# Altium PCB BB.PcbDoc (part 2 of 5) (continued)
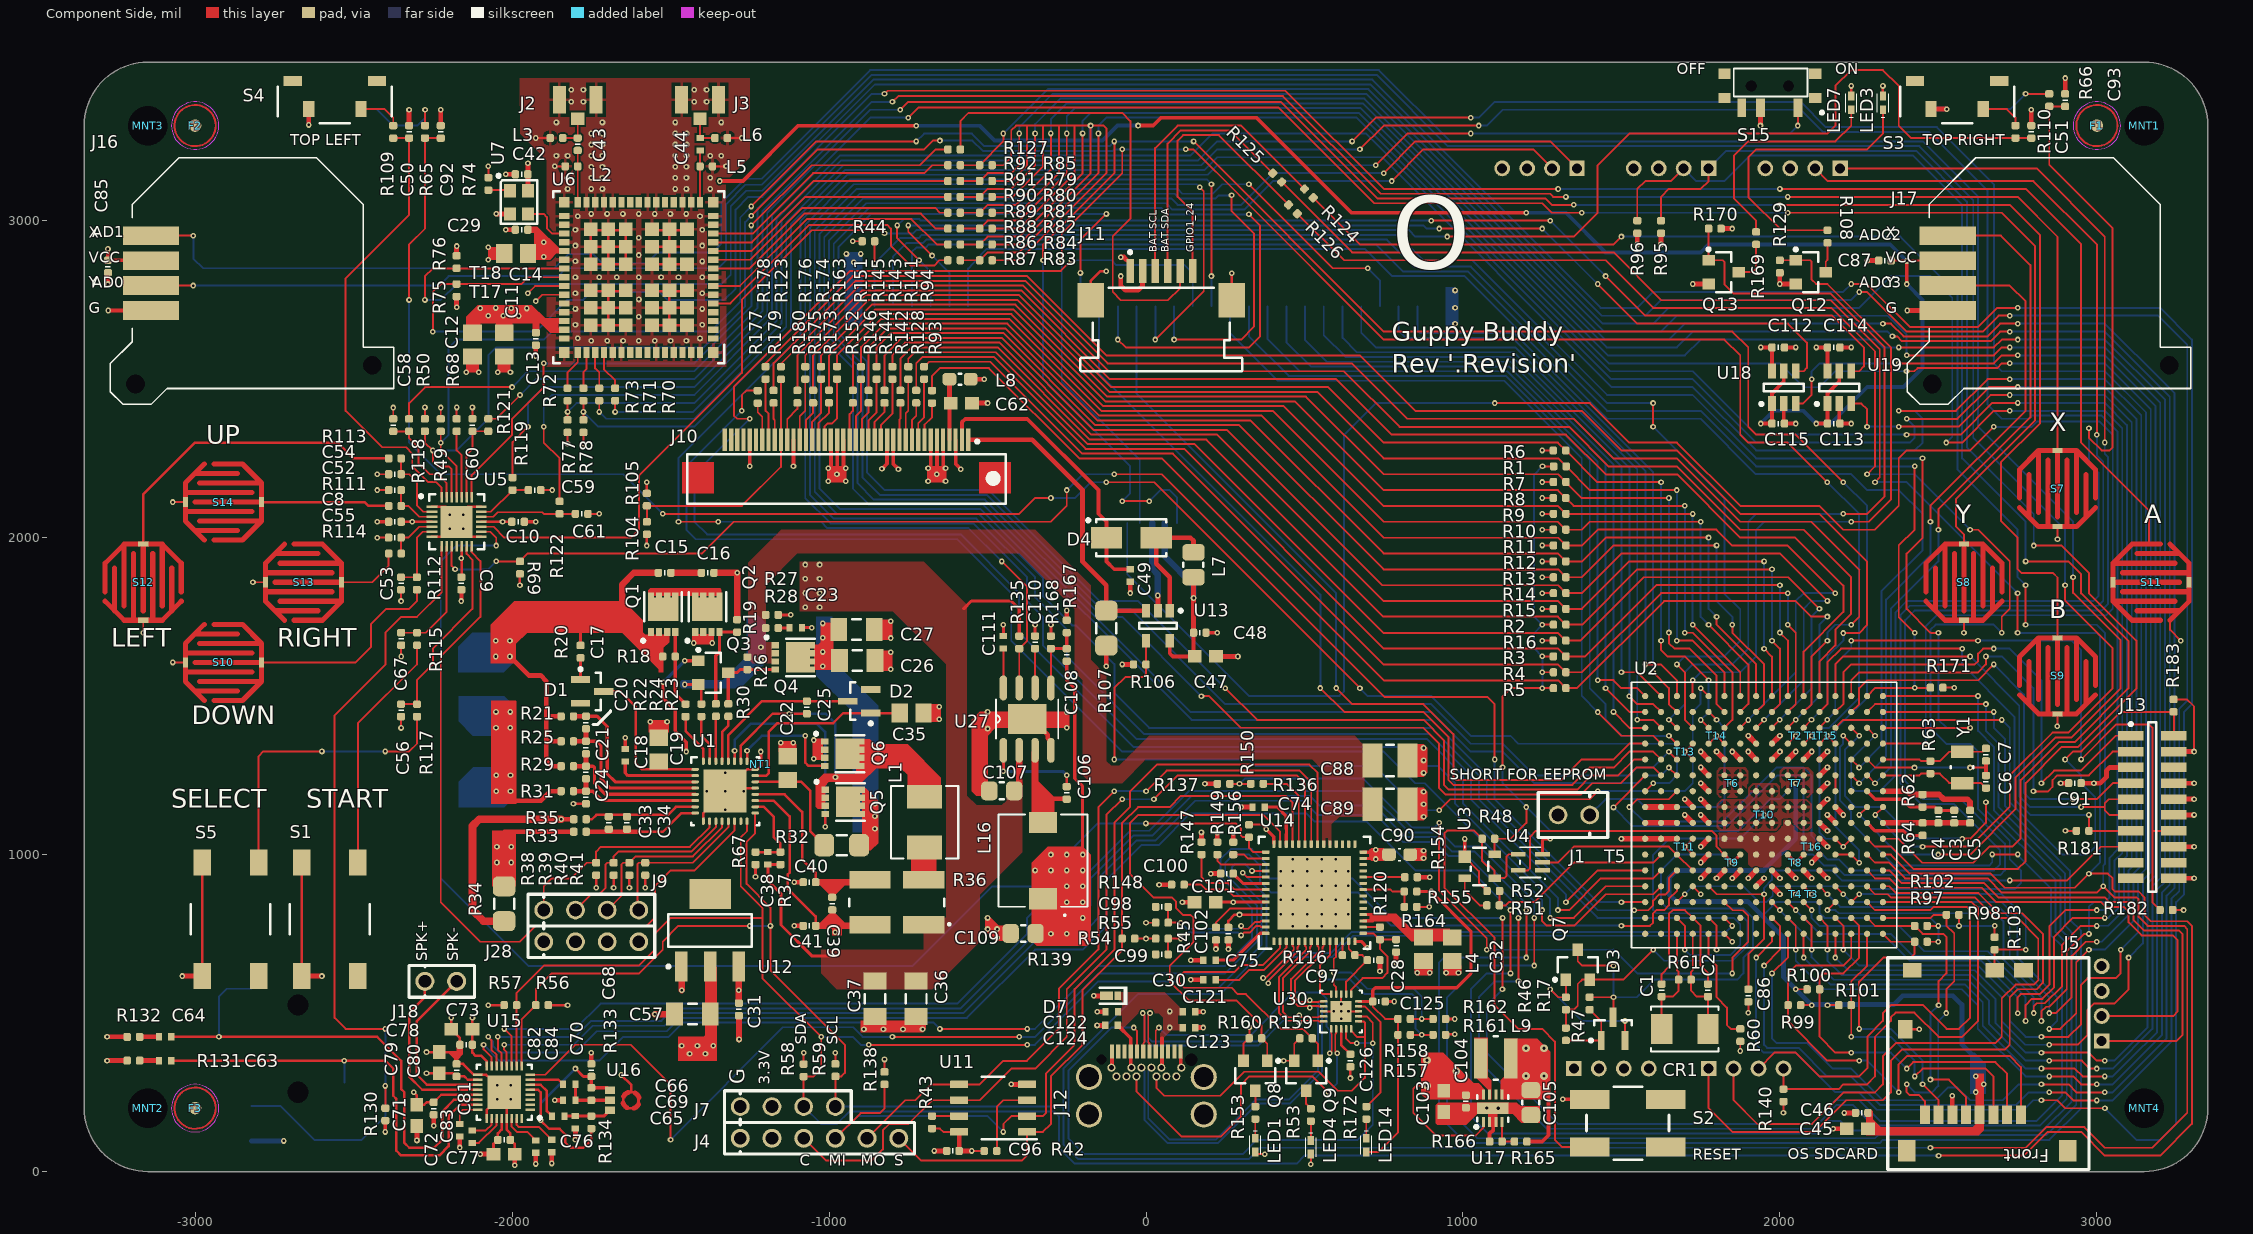
[diagram p0: Component Side view]
## Part data (continued)
R34: "RES SMD 0.005 OHM 1% 1W 1206", Case=1206, Manufacturer="Stackpole Electronics Inc.", Manufacturer Part Number=CSRF1206FT5L00, Operating Temperature="-55°C ~ 170°C", Package / Case="1206 (3216 Metric)", Power (Watts)=1/4W, Resistance (Ohms)=0.005, Supplier Part Number 1=CSRF1206FT5L00CT-ND, Temperature Coefficient=±100ppm/°C, Tolerance=±1%, Category=Resistors, ComponentLink1Description=https://www.seielect.com/Catalog/SEI-csrf.pdf, ComponentLink1URL=https://www.seielect.com/Catalog/SEI-csrf.pdf, Composition="Metal Foil", Failure Rate=-, Features="Automotive AEC-Q200, Current Sense, Moisture Resistant", Height - Seated (Max)="0.033\" (0.85mm)", Number of Terminations=2, Packaging="Cut Tape (CT)", Part Status=Active, Pricing 1="1=0.63, 10=0.468, 50=0.33, 100=0.2723, 250=0.23652, 500=0.1925, 1000=0.15268 (USD)", Resistance In Ohms=0.005, RoHS="RoHS Compliant", Size / Dimension="0.126\" L x 0.063\" W (3.20mm x 1.60mm)", Stock 1=42538, Supplier 1=Digi-Key, Supplier Device Package=1206
R36: library part R_0.010SENSE_LK20, "RES SMD 0.01 OHM 1% 2W 1224", Manufacturer=Ohmite, Manufacturer Part Number=LVK25R010FER, Operating Temperature="-40°C ~ 125°C", Package / Case="Wide 2412 (6231 Metric), 1224", Power (Watts)=2W, Resistance (Ohms)=0.01, Supplier Device Package=1224, Supplier Part Number 1=LVK25R010FERCT-ND, Temperature Coefficient=±100ppm/°C, Tolerance=±1%, Category=Resistors, ComponentLink1Description=http://www.ohmite.com/cat/res_lvk.pdf, ComponentLink1URL=http://www.ohmite.com/cat/res_lvk.pdf, Composition="Thick Film", Features="Current Sense, Moisture Resistant", Height="0.028\" (0.70mm)", Number of Terminations=4, Packaging="Cut Tape (CT)", Pricing 1="1=1.77, 10=1.571, 25=1.4564, 50=1.3706, 100=1.1994, 250=1.028, 500=0.85668 (USD)", RoHS="RoHS Compliant", Size / Dimension="0.126\" L x 0.252\" W (3.20mm x 6.40mm)", Stock 1=3676, Supplier 1=Digi-Key
R37: "RES SMD 330K OHM 1% 1/16W 0402", Case=0402, Manufacturer=Yageo, Manufacturer Part Number=RC0402FR-07330KL, Operating Temperature="-55°C ~ 155°C", Package / Case="0402 (1005 Metric)", Power (Watts)=1/16W, Resistance (Ohms)=330k, Supplier Part Number 1=311-330KLRCT-ND, Temperature Coefficient=±100ppm/°C, Tolerance=±1%, Category=Resistors, ComponentLink1Description=http://www.yageo.com/NewPortal/yageodocoutput?fileName=/pdf/R-Chip/PYu-RC_Group_51_RoHS_L_4.pdf, ComponentLink1URL=http://www.yageo.com/NewPortal/yageodocoutput?fileName=/pdf/R-Chip/PYu-RC_Group_51_RoHS_L_4.pdf, Composition="Thick Film", Failure Rate=-, Features="Moisture Resistant", Height - Seated (Max)="0.016\" (0.40mm)", Number of Terminations=2, Packaging="Cut Tape (CT)", Part Status=Active, Pricing 1="1=0.1, 10=0.013, 25=0.0096, 100=0.0054, 250=0.00412, 500=0.00328, 1000=0.00242, 2500=0.0021, 5000=0.00173 (USD)", Resistance In Ohms=330k, RoHS="RoHS Compliant", Size / Dimension="0.039\" L x 0.020\" W (1.00mm x 0.50mm)", Stock 1=135846, Supplier 1=Digi-Key, Supplier Device Package=0402
R38 R39 R40 R41: "NTC Thermistor 10k 0402 (1005 Metric)", B Value Tolerance=±1%, Case=0402, Manufacturer="Murata Electronics North America", Manufacturer Part Number=NCP15XH103F03RC, Operating Temperature="-40°C ~ 125°C", Package / Case="0402 (1005 Metric)", Power - Max=100mW, Resistance In Ohms="10.0K NTC", Resistance in Ohms @ 25°C=10k, Supplier Part Number 1=490-4801-1-ND, B0/50=-, B25/50=3380K, B25/75=-, B25/85=3434K, B25/100=3455K, Category="Sensors, Transducers", ComponentLink1Description=http://www.murata.com/~/media/webrenewal/support/library/catalog/products/thermistor/ntc/r44e.ashx, ComponentLink1URL=http://www.murata.com/~/media/webrenewal/support/library/catalog/products/thermistor/ntc/r44e.ashx, Length - Lead Wire=-, Mounting Type="Surface Mount", Packaging="Cut Tape (CT)", Part Status=Active, Pricing 1="1=0.13, 10=0.107, 25=0.0988, 50=0.0792, 100=0.0678, 250=0.0622, 500=0.05936, 1000=0.05089, 2500=0.04806 (USD)", Resistance Tolerance=±1%, RoHS="RoHS Compliant", Stock 1=119531, Supplier 1=Digi-Key, Tolerance=±1%
R42 R43 R138 R139 R147: library part R_0402_3.3K, "RES 3.30K OHM 1/10W 1% 0402 SM", Case=0402, Manufacturer="Panasonic - ECG", Manufacturer Part Number=ERJ-2RKF3301X, Package / Case="0402 (1005 Metric)", Power (Watts)=1/10W, Resistance In Ohms=3.3K, Supplier Part Number 1=P3.30KLCT-ND, Temperature Coefficient=±100ppm/°C, Tolerance=±1%, Category=Resistors, ComponentLink1Description=http://industrial.panasonic.com/www-cgi/jvcr13pz.cgi?E+PZ+3+AOA0002+ERJ2RKF3301X+7+WW, ComponentLink1URL=http://industrial.panasonic.com/www-cgi/jvcr13pz.cgi?E+PZ+3+AOA0002+ERJ2RKF3301X+7+WW, Composition="Thick Film", Features=-, Height="0.014\" (0.35mm)", Number of Terminations=2, Packaging="Cut Tape (CT)", Pricing="1=0.06, 50=0.0242, 100=0.0184, 250=0.01364, 500=0.01008, 1000=0.00672, 5000=0.00473 (USD)", RoHS="RoHS Compliant", Size / Dimension="0.039\" L x 0.020\" W (1.00mm x 0.50mm)", Stock 1=246274, Supplier 1=Digi-Key
R45: "RES 15.0K OHM 1/10W 1% 0402 SMD", Case=0402, Manufacturer="Panasonic - ECG", Manufacturer Part Number=ERJ-2RKF1502X, Package / Case="0402 (1005 Metric)", Power (Watts)=1/10, Resistance (Ohms)=15K, Supplier Part Number 1=P15.0KLCT-ND, Temperature Coefficient=±100ppm/°C, Tolerance=±1%, Category=Resistors, ComponentLink1Description=http://industrial.panasonic.com/www-cgi/jvcr13pz.cgi?E+PZ+3+AOA0002+ERJ2RKF1502X+7+WW, ComponentLink1URL=http://industrial.panasonic.com/www-cgi/jvcr13pz.cgi?E+PZ+3+AOA0002+ERJ2RKF1502X+7+WW, Composition="Thick Film", Features=-, Height="0.016\" (0.40mm)", Number of Terminations=2, Packaging="Cut Tape (CT)", Pricing="1=0.06, 50=0.0242, 100=0.0184, 250=0.01364, 500=0.01008, 1000=0.00672, 5000=0.00473 (USD)", Resistance In Ohms=15K, RoHS="RoHS Compliant", Size / Dimension="0.039\" L x 0.020\" W (1.00mm x 0.50mm)", Stock 1=695227, Supplier 1=Digi-Key
R46: "RES 499 OHM 1/10W 1% 0402 SMD", Case=0402, Manufacturer="Panasonic - ECG", Manufacturer Part Number=ERJ-2RKF4990X, Package / Case="0402 (1005 Metric)", Power (Watts)=0.1W, Resistance In Ohms=499, Supplier Part Number 1=P499LCT-ND, Temperature Coefficient=±100ppm/°C, Tolerance=±1%, Category=Resistors, ComponentLink1Description=http://industrial.panasonic.com/www-cgi/jvcr13pz.cgi?E+PZ+3+AOA0002+ERJ2RKF4990X+7+WW, ComponentLink1URL=http://industrial.panasonic.com/www-cgi/jvcr13pz.cgi?E+PZ+3+AOA0002+ERJ2RKF4990X+7+WW, Composition="Thick Film", Features=-, Height="0.014\" (0.35mm)", Number of Terminations=2, Packaging="Cut Tape (CT)", Pricing="1=0.06, 50=0.0242, 100=0.0184, 250=0.01364, 500=0.01008, 1000=0.00672, 5000=0.00473 (USD)", RoHS="RoHS Compliant", Size / Dimension="0.039\" L x 0.020\" W (1.00mm x 0.50mm)", Stock 1=1490570, Supplier 1=Digi-Key
R49 R50 R56 R57 R58 R59 R95 R96 R133 R134: "RES SMD 2.2K OHM 1% 1/10W 0402", Case=0402, Manufacturer="Panasonic Electronic Components", Manufacturer Part Number=ERJ-2RKF2201X, Operating Temperature="-55°C ~ 155°C", Package / Case="0402 (1005 Metric)", Power (Watts)=1/16W, Resistance (Ohms)=2.2k, Resistance In Ohms=2.2K, Supplier Part Number 1=P2.20KLCT-ND, Temperature Coefficient=±100ppm/°C, Tolerance=±1%, Category=Resistors, ComponentLink1Description=http://industrial.panasonic.com/www-cgi/jvcr13pz.cgi?E+PZ+3+AOA0002+ERJ2RKF2201X+7+WW, ComponentLink1URL=http://industrial.panasonic.com/www-cgi/jvcr13pz.cgi?E+PZ+3+AOA0002+ERJ2RKF2201X+7+WW, Composition="Thick Film", Features="Automotive AEC-Q200", Height="0.016\" (0.40mm)", Number of Terminations=2, Packaging="Cut Tape (CT)", Pricing 1="1=0.1, 50=0.015, 100=0.011, 250=0.0084, 500=0.00674, 1000=0.00496, 5000=0.00355 (USD)", RoHS="RoHS Compliant", Size / Dimension="0.039\" L x 0.020\" W (1.00mm x 0.50mm)", Stock 1=1256647, Supplier 1=Digi-Key, Supplier Device Package=0402
R51 R53 R74 R77 R78 R108 R153 R169 R172: library part R_0402_1.0K, "RES 1.00K OHM 1/16W 1% 0402 SMD", Case=0402, Manufacturer=Yageo, Manufacturer Part Number=RC0402FR-071KL, Package / Case="0402 (1005 Metric)", Power (Watts)=1/16W, Resistance (Ohms)=1K, Resistance In Ohms=1.00K, Supplier Part Number 1=311-1.00KLRCT-ND, Temperature Coefficient=±100ppm/°C, Tolerance=±1%, Category=Resistors, ComponentLink1Description=http://www.yageo.com/documents/recent/PYu-RC0402_51_RoHS_L_6.pdf, ComponentLink1URL=http://www.yageo.com/documents/recent/PYu-RC0402_51_RoHS_L_6.pdf, Composition="Thick Film", Features=-, Height="0.016\" (0.40mm)", Number of Terminations=2, Packaging="Cut Tape (CT)", Pricing="10=0.014, 100=0.0063, 500=0.00382, 1000=0.0027, 5000=0.00203 (USD)", RoHS="RoHS Compliant", Size / Dimension="0.039\" L x 0.020\" W (1.00mm x 0.50mm)", Stock 1=2103351, Supplier 1=Digi-Key
R61 R63 R154 R157 R158 R161 R162: library part R_0402_1.0M, "RES 1.00M OHM 1/16W 1% 0402 SMD", Case=0402, Manufacturer=Vishay/Dale, Manufacturer Part Number=CRCW04021M00FKED, Power (Watts)=1/16W, Resistance In Ohms=1.00M, Supplier Part Number 1=541-1.00MLDKR-ND, Temperature Coefficient=±100ppm/°C, Tolerance=±1%, Category=Resistors, ComponentLink1Description=http://www.vishay.com/doc?20035, ComponentLink1URL=http://www.vishay.com/doc?20035, Composition="Thick Film", Features=-, Lead Style="Surface Mount (SMD - SMT)", Packaging=Digi-Reel®, Pricing="10=0.083, 50=0.0444, 200=0.0255, 1000=0.0174 (USD)", RoHS="RoHS Compliant", Stock 1=232720, Supplier 1=Digi-Key
R66 R68 R69 R110 R111 R112 R113 R114 R115 R117 R118 R119 R121 R122 R171 R181 R182 R183: library part R_0402_4.70K, "RES 4.70K OHM 1/16W 1% 0402 SMD", Case=0402, Manufacturer=Yageo, Manufacturer Part Number=RC0402FR-074K7L, Package / Case="0402 (1005 Metric)", Power (Watts)=1/16W, Resistance (Ohms)=4.7K, Resistance In Ohms=4.70K, Supplier Part Number 1=311-4.7KLRCT-ND, Temperature Coefficient=±100ppm/°C, Tolerance=±1%, Category=Resistors, ComponentLink1Description=http://www.yageo.com/documents/recent/PYu-RC0402_51_RoHS_L_6.pdf, ComponentLink1URL=http://www.yageo.com/documents/recent/PYu-RC0402_51_RoHS_L_6.pdf, Composition="Thick Film", Features=-, Height="0.016\" (0.40mm)", Number of Terminations=2, Packaging="Cut Tape (CT)", Pricing="10=0.014, 100=0.0063, 500=0.00382, 1000=0.0027, 5000=0.00203 (USD)", RoHS="RoHS Compliant", Size / Dimension="0.039\" L x 0.020\" W (1.00mm x 0.50mm)", Stock 1=3610, Supplier 1=Digi-Key
R67: library part R_0402_56.2k, "RES 56.2K OHM 1/16W 1% 0402 SMD", Case=0402, Manufacturer="Vishay Dale", Manufacturer Part Number=CRCW040256K2FKED, Package / Case="0402 (1005 Metric)", Power (Watts)=1/16W, Supplier Part Number 1=541-56.2KLCT-ND, Temperature Coefficient=±100ppm/°C, Tolerance=±1%, Category=Resistors, ComponentLink1Description=http://www.vishay.com/doc?20035, ComponentLink1URL=http://www.vishay.com/doc?20035, Composition="Thick Film", Features=-, Height="0.016\" (0.40mm)", Number of Terminations=2, Packaging="Cut Tape (CT)", Pricing="10=0.083, 50=0.0444, 200=0.0255, 1000=0.0174 (USD)", Resistance (Ohms)=56.2k, Resistance In Ohms=56.2k, RoHS="RoHS Compliant", Size / Dimension="0.039\" L x 0.020\" W (1.00mm x 0.50mm)", Stock 1=2237, Supplier 1=Digi-Key
R70 R71 R72 R73 R86 R87 R88 R89 R90 R91 R92 R93 R94 R128 R131 R132 R141 R142 R143 R144 R145 R146 R151 R152 R163 R173 R174 R175 R176 R177 R178 R179 R180: "RES 33.0 OHM 1/16W 1% 0402 SMD", Case=0402, Manufacturer=Yageo, Manufacturer Part Number=RC0402FR-0733RL, Package / Case="0402 (1005 Metric)", Power (Watts)=1/16W, Resistance (Ohms)=33, Resistance In Ohms=33.0, Supplier Part Number 1=311-33.0LRCT-ND, Temperature Coefficient=±100ppm/°C, Tolerance=±1%, Category=Resistors, ComponentLink1Description=http://www.yageo.com/documents/recent/PYu-RC0402_51_RoHS_L_6.pdf, ComponentLink1URL=http://www.yageo.com/documents/recent/PYu-RC0402_51_RoHS_L_6.pdf, Composition="Thick Film", Features=-, Height="0.014\" (0.35mm)", Number of Terminations=2, Packaging="Cut Tape (CT)", Pricing="10=0.014, 50=0.0104, 100=0.0079, 250=0.00584, 500=0.00432, 1000=0.00288 (USD)", RoHS="RoHS Compliant", Size / Dimension="0.039\" L x 0.020\" W (1.00mm x 0.50mm)", Stock 1=733920, Supplier 1=Digi-Key
R107: "RES SMD 4.99 OHM 1% 3/4W 1206", Case=1206, Case Code (Metric)=3216, Manufacturer="Vishay / Dale", Manufacturer Part Number=CRCW12064R99FKEAHP, Max Operating Temperature=155°C, Max Power Dissipation=500mW, Min Operating Temperature=-55°C, Power (Watts)=3/4W, Resistance=4.99R, Resistance In Ohms=4.99, Supplier Part Number 1=541-4.99UDKR-ND, Temperature Coefficient=100ppm/°C, Tolerance=±1%, Case/Package=1206, Case Code (Imperial)=1206, ComponentLink1Description=http://www.vishay.com/docs/20043/crcwhpe3.pdf, ComponentLink1URL=http://www.vishay.com/docs/20043/crcwhpe3.pdf, Composition="Thick Film", Contact Plating=Tin, Height=0.026inch, Lead Free="Lead Free", Length=0.122inch, Number of Terminations=2, Packaging="Tape and Reel", Pricing 1="1=0.49, 10=0.375, 100=0.1577, 1000=0.087, 2500=0.0816 (USD)", Stock 1=24650, Supplier 1=Digikey, Width=0.063inch
R165: "RES 249K OHM 1/16W 1% 0402 SMD", Manufacturer=Yageo, Manufacturer Part Number=RC0402FR-07249KL, Package / Case=0402, Power (Watts)=1/16W, Resistance (Ohms)=249K, Supplier Part Number 1=311-249KLRCT-ND, Temperature Coefficient=±100ppm/°C, Tolerance=±1%, Category=Resistors, ComponentLink1Description=http://www.yageo.com/documents/recent/PYu-RC0402_51_RoHS_L_6.pdf, ComponentLink1URL=http://www.yageo.com/documents/recent/PYu-RC0402_51_RoHS_L_6.pdf, Composition="Thick Film", Features=-, Height="0.016\" (0.40mm)", Number of Terminations=2, Packaging="Cut Tape (CT)", Pricing="10=0.014, 100=0.0063, 500=0.00382, 1000=0.0027, 5000=0.00203 (USD)", RoHS="RoHS Compliant", Size / Dimension="0.039\" L x 0.020\" W (1.00mm x 0.50mm)", Stock 1=53980, Supplier 1=Digi-Key
R166: "RES 39.2K OHM 1/16W 1% 0402 SMD", Case=0402, Manufacturer=Yageo, Manufacturer Part Number=RC0402FR-0739K2L, Package / Case="0402 (1005 Metric)", Power (Watts)=1/16W, Resistance (Ohms)=39.2K, Supplier Part Number 1=311-39.2KLRCT-ND, Temperature Coefficient=±100ppm/°C, Tolerance=±1%, Category=Resistors, ComponentLink1Description=http://www.yageo.com/documents/recent/PYu-RC0402_51_RoHS_L_6.pdf, ComponentLink1URL=http://www.yageo.com/documents/recent/PYu-RC0402_51_RoHS_L_6.pdf, Composition="Thick Film", Features=-, Height="0.016\" (0.40mm)", Number of Terminations=2, Packaging="Cut Tape (CT)", Pricing 1="10=0.014, 100=0.0063, 500=0.00382, 1000=0.0027, 5000=0.00203 (USD)", Resistance In Ohms=39.2K, RoHS="RoHS Compliant", Size / Dimension="0.039\" L x 0.020\" W (1.00mm x 0.50mm)", Stock 1=76395, Supplier 1=Digi-Key
R167: "RES 130K OHM 1/10W 1% 0402 SMD", Case=0402, Manufacturer="Panasonic Electronic Components", Manufacturer Part Number=ERJ-2RKF1303X, Package / Case="0402 (1005 Metric)", Power (Watts)=1/16W, Resistance (Ohms)=130k, Resistance In Ohms=130K, Supplier Part Number 1=P130KLCT-ND, Temperature Coefficient=±100ppm/°C, Tolerance=±1%, Category=Resistors, ComponentLink1Description=http://industrial.panasonic.com/www-cgi/jvcr13pz.cgi?E+PZ+3+AOA0002+ERJ2RKF1303X+7+WW, ComponentLink1URL=http://industrial.panasonic.com/www-cgi/jvcr13pz.cgi?E+PZ+3+AOA0002+ERJ2RKF1303X+7+WW, Composition="Thick Film", Features=-, Height="0.016\" (0.40mm)", Number of Terminations=2, Packaging="Cut Tape (CT)", Pricing="1=0.1, 50=0.0242, 100=0.0184, 250=0.01364, 500=0.01008, 1000=0.00672, 5000=0.00473 (USD)", RoHS="RoHS Compliant", Size / Dimension="0.039\" L x 0.020\" W (1.00mm x 0.50mm)", Stock 1=388696, Supplier 1=Digi-Key, Supplier Device Package=0402
R168: "RES SMD 24K OHM 1% 1/16W 0402", Case=0402, Manufacturer=Yageo, Manufacturer Part Number=RC0402FR-0724KL, Operating Temperature="-55°C ~ 155°C", Package / Case="0402 (1005 Metric)", Power (Watts)=1/16W, Resistance (Ohms)=24k, Supplier Part Number 1=311-24KLRCT-ND, Temperature Coefficient=±100ppm/°C, Tolerance=±1%, Category=Resistors, ComponentLink1Description=http://www.yageo.com/documents/recent/PYu-RC_Group_51_RoHS_L_7.pdf, ComponentLink1URL=http://www.yageo.com/documents/recent/PYu-RC_Group_51_RoHS_L_7.pdf, Composition="Thick Film", Failure Rate=-, Features="Moisture Resistant", Height - Seated (Max)="0.016\" (0.40mm)", Packaging="Cut Tape (CT)", Part Status=Active, Pricing 1="1=0.1, 10=0.014, 100=0.0056, 1000=0.00253, 2500=0.0022, 5000=0.00181 (USD)", Resistance In Ohms=24k, RoHS="RoHS Compliant", Size / Dimension="0.039\" L x 0.020\" W (1.00mm x 0.50mm)", Stock 1=267958, Supplier 1=Digi-Key, Supplier Device Package=0402
S1 S5: "SWITCH TACTILE SPST-NO 0.05A 24V", Manufacturer="TE Connectivity Alcoswitch", Manufacturer Part Number=FSM4JSMLXTR, Max Operating Temperature=85°C, Min Operating Temperature=-35°C, Operating Force=70gf, Package Quantity=4800, Supplier Part Number 1=450-2057-1-ND, Actuator Material=Nylon,Polyamide, Illumination Type=Non-Illuminated, Mechanical Life=1000000Cycles, Packaging="Tape and Reel", Pricing 1="1=0.68, 10=0.655, 25=0.6428, 50=0.6184, 100=0.5335, 500=0.4607, 1000=0.3637, 1200=0.3066 (USD)", Stock 1=4653, Supplier 1=Digikey, Switch Travel=0.25mm, Termination="Gull Wing", Throw Configuration=SPST
S2: "SWITCH TACTILE SPST-NO 0.02A 15V", Contact Rating @ Voltage="0.02A @ 15VDC", Manufacturer="Panasonic - ECG", Manufacturer Part Number=EVQ-Q2U02W, Operating Force=260gf, Supplier Part Number 1=P12954SCT-ND, Actuator Orientation="Top Actuated", Actuator Type=Standard, Category=Switches, Circuit=SPST-NO, ComponentLink1Description=http://industrial.panasonic.com/www-data/pdf/ATK0000/ATK0000CE28.pdf, ComponentLink1URL=http://industrial.panasonic.com/www-data/pdf/ATK0000/ATK0000CE28.pdf, Illumination=Non-Illuminated, Mounting Type="Surface Mount", Outline="6.60mm x 6.00mm", Packaging="Cut Tape (CT)", Pricing="1=0.4, 10=0.374, 25=0.3208, 50=0.2726, 100=0.262, 250=0.23524, 500=0.22454, 1000=0.18711 (USD)", RoHS="RoHS Compliant", Stock 1=21488, Supplier 1=Digi-Key, Switch Function=Off-Mom, Termination Style="SMD (SMT) Tab"
S3 S4 S6 S16: "SWITCH TACTILE SPST-NO 0.05A 12V", Case/Package=SMD/SMT, Colour=Black, Contact Resistance=100mR, Current Rating=50mA, Manufacturer=E-Switch, Manufacturer Part Number=TL3330AF130QG, Max Operating Temperature=70°C, Max Voltage Rating (DC)=12V, Min Operating Temperature=-30°C, Operating Force=130gf, Package Quantity=1, Supplier Part Number 1=EG4388CT-ND, Actuator Length=1mm, Actuator Material=Nylon,Polyamide, ComponentLink1Description=https://datasheet.ciiva.com/2900/p010950-2900785.pdf, ComponentLink1URL=https://datasheet.ciiva.com/2900/p010950-2900785.pdf, ComponentLink2Description=https://datasheet.ciiva.com/2900/p010950-2900786.pdf, ComponentLink2URL=https://datasheet.ciiva.com/2900/p010950-2900786.pdf, ComponentLink3Description=https://datasheet.ciiva.com/2900/p010950-2900787.pdf, ComponentLink3URL=https://datasheet.ciiva.com/2900/p010950-2900787.pdf, ComponentLink4Description=https://datasheet.ciiva.com/23713/tl3330-23713381.pdf, ComponentLink4URL=https://datasheet.ciiva.com/23713/tl3330-23713381.pdf, Contact Material=Silver, Contact Plating=Silver, Electrical Life=50000Cycles, Illumination Type=Non-Illuminated,Illuminated, Lead Free="Lead Free", Mechanical Life=50000Cycles, Mount="Surface Mount", Orientation="Right Angle", Packaging="Tape and Reel", Pricing 1="1=0.47, 10=0.448, 25=0.44, 50=0.4236, 100=0.3654, 250=0.3322, 500=0.3156, 1000=0.2492 (USD)", REACH SVHC="No SVHC", Stock 1=47904, Supplier 1=Digikey, Switch Travel=0.25mm, Termination="Gull Wing", Throw Configuration=SPST, Voltage Rating (DC)=12V
S15: library part S_MICRO_SLIDE_SWITCH_ON_OFF, "SWITCH SLIDE SPDT 300MA 6V", Current Rating="300mA (DC)", Manufacturer="C&K Components", Manufacturer Part Number=PCM12SMTR, Operating Force=-, Operating Temperature="-20°C ~ 85°C", Supplier Part Number 1=401-2016-1-ND, Voltage Rating - DC=6V, Actuator Length=1.50mm, Actuator Material="Polyamide (PA46), Nylon 4/6", Actuator Type=Standard, Category=Switches, Circuit=SPDT, ComponentLink1Description=http://www.ck-components.com/index.php?module=media&action=Display&cmpref=14389&lang=en&width=&height=&format=&alt=, ComponentLink1URL=http://www.ck-components.com/index.php?module=media&action=Display&cmpref=14389&lang=en&width=&height=&format=&alt=, Contact Finish=Silver, Contact Material="Copper Alloy", Contact Timing="Not Specified", Electrical Life=-, Features=-, Mechanical Life="10,000 Cycles", Mounting Type="Surface Mount, Right Angle", Packaging="Cut Tape (CT)", Pricing 1="1=0.82, 10=0.787, 25=0.7704, 50=0.6884, 100=0.6556, 250=0.6392, 500=0.54088, 1000=0.52448 (USD)", RoHS="RoHS Compliant", Stock 1=29326, Supplier 1=Digi-Key, Switch Function=On-On, Switch Travel=1.50mm, Termination Style="Gull Wing", Voltage Rating - AC=-
T1 T2 T3 T4 T5 T6 T7 T8 T9 T10 T11 T13 T14 T15 T16 T17 T18: "OSCILLOSCOPE TEST POINT"
U1: "IC BATTERY MANAGER 32VQFN", Battery Pack Voltage=-, Manufacturer="Texas Instrument", Manufacturer Part Number=BQ40Z60RHBT, Operating Temperature="-40°C ~ 85°C (TA)", Package / Case="32-VFQFN Exposed Pad", Supplier Device Package="32-VQFN (5x5)", Supplier Part Number 1=296-38618-1-ND, Voltage - Supply (Max)=26V, Battery Chemistry=Lithium-Ion/Polymer, Category="Integrated Circuits (ICs)", Charge Current - Max=-, ComponentLink1Description=http://www.ti.com/lit/ds/symlink/bq40z60.pdf, ComponentLink1URL=http://www.ti.com/lit/ds/symlink/bq40z60.pdf, Current - Charging=-, Fault Protection="Over Current, Short Circuit", Interface=SMBus, Number of Cells="2 ~ 4", Packaging="Cut Tape (CT)", Part Status=Active, Pricing 1="1=7.63, 10=6.918, 100=5.7023 (USD)", Programmable Features=-, RoHS="RoHS Compliant", Stock 1=2505, Supplier 1=Digi-Key
U2: Manufacturer 1="Octavo Systems", Manufacturer Part Number 1=OSD3358-512M-BSM, Supplier Part Number 1=1676-1002-ND, Pricing 1="1=43.73, 10=41.08, 100=36.84 (USD)", Stock 1=592, Supplier 1=Digi-Key
U3: "Processor Supervisor 2.63V 2.5V/3V/3.3V/5V 4-Pin(3+Tab) SOT-143 T/R", Case/Package=TO-253-4, Manufacturer 1=Diodes, Manufacturer Part Number 1=APX811-26UG-7, Max Operating Temperature=85°C, Max Power Dissipation=320mW, Max Reset Threshold Voltage=2.67V, Max Supply Voltage=5.5V, Min Operating Temperature=-40°C, Min Reset Threshold Voltage=2.59V, Min Supply Voltage=1.1V, Number of Voltages Monitored=1, Supplier Part Number 1=APX811-26UG-7DKR-ND, Threshold Voltage=2.63V, ComponentLink1Description=https://datasheet.ciiva.com/17224/apx811-812-17224730.pdf, ComponentLink1URL=https://datasheet.ciiva.com/17224/apx811-812-17224730.pdf, ComponentLink2Description=https://datasheet.ciiva.com/26949/getdatasheetpartid-661887-26949338.pdf, ComponentLink2URL=https://datasheet.ciiva.com/26949/getdatasheetpartid-661887-26949338.pdf, Description 1="Processor Supervisor 2.63V 2.5V/3V/3.3V/5V 4-Pin(3+Tab) SOT-143 T/R", Mount="Surface Mount", Number of Elements=1, Number of Pins=4, Package Quantity=1, Packaging="Tape and Reel", Power Dissipation=320mW, Pricing 1="1=0.41, 10=0.348, 100=0.2596, 500=0.20394, 1000=0.15759 (USD)", Radiation Hardening=No, REACH SVHC="No SVHC", Reset="Active Low", Reset Timeout=140ms, Stock 1=3187, Supplier 1=Digi-Key, Type="Simple Reset/Power-On Reset", Watchdog Timer=No
U4: "IC BUFF/DVR NON-INVERT SC705", Case/Package=SC, High Level Output Current=32mA, Manufacturer 1="Texas Instruments", Manufacturer Part Number 1=SN74LVC1G07DCKR, Max Operating Temperature=125°C, Max Supply Voltage=5.5V, Min Operating Temperature=-40°C, Min Supply Voltage=1.65V, Nominal Supply Current=40mA, Package Quantity=3000, Quiescent Current=10uA, Supplier Part Number 1=296-8486-1-ND, ComponentLink1Description=https://datasheet.ciiva.com/4788/sn74lvc1g07-224894-4788496.pdf, ComponentLink1URL=https://datasheet.ciiva.com/4788/sn74lvc1g07-224894-4788496.pdf, ComponentLink2Description=https://datasheet.ciiva.com/1833/sn74lvc1g07-1833618.pdf, ComponentLink2URL=https://datasheet.ciiva.com/1833/sn74lvc1g07-1833618.pdf, ComponentLink3Description=https://datasheet.ciiva.com/1833/sn74lvc1g07-1833619.pdf, ComponentLink3URL=https://datasheet.ciiva.com/1833/sn74lvc1g07-1833619.pdf, ComponentLink4Description=https://datasheet.ciiva.com/1833/sn74lvc1g07-1833620.pdf, ComponentLink4URL=https://datasheet.ciiva.com/1833/sn74lvc1g07-1833620.pdf, ComponentLink5Description=https://datasheet.ciiva.com/14300/sn74lvc1g07-14300981.pdf, ComponentLink5URL=https://datasheet.ciiva.com/14300/sn74lvc1g07-14300981.pdf, ComponentLink6Description=https://datasheet.ciiva.com/15094/getdatasheetpartid-189690-15094949.pdf, ComponentLink6URL=https://datasheet.ciiva.com/15094/getdatasheetpartid-189690-15094949.pdf, ComponentLink7Description=https://datasheet.ciiva.com/14300/sn74lvc1g07-14300984.pdf, ComponentLink7URL=https://datasheet.ciiva.com/14300/sn74lvc1g07-14300984.pdf, ComponentLink8Description=https://datasheet.ciiva.com/46442/1856316-46442060.pdf, ComponentLink8URL=https://datasheet.ciiva.com/46442/1856316-46442060.pdf, ComponentLink9Description=https://datasheet.ciiva.com/28662/1887570-28662702.pdf, ComponentLink9URL=https://datasheet.ciiva.com/28662/1887570-28662702.pdf, ComponentLink10Description=https://datasheet.ciiva.com/46384/1887570-46384078.pdf, ComponentLink10URL=https://datasheet.ciiva.com/46384/1887570-46384078.pdf, ComponentLink11Description=https://datasheet.ciiva.com/48704/001075278-da-01-en-ic-buff-dvr-sn74lvc1g07dckr-sc-70-5-tid-48704263.pdf, ComponentLink11URL=https://datasheet.ciiva.com/48704/001075278-da-01-en-ic-buff-dvr-sn74lvc1g07dckr-sc-70-5-tid-48704263.pdf, Contact Plating=Gold, Description 1="IC BUFF/DVR NON-INVERT SC705", Lead Free="Lead Free", Logic Function=Buffer,Non-Inverting, Low Level Output Current=32mA, Mount="Surface Mount", Number of Bits=1, Number of Bits per Element=1, Number of Channels=1, Number of Circuits=1, Number of Elements=1, Number of Gates=1, Number of Input Lines=1, Number of Inputs=1, Number of Output Lines=1, Number of Outputs=1, Number of Pins=5, Packaging="Tape and Reel", Polarity=Non-Inverting, Pricing 1="1=0.43, 10=0.32, 100=0.1996, 500=0.13658, 1000=0.10506 (USD)", Propagation Delay=8.3ns, Radiation Hardening=No, REACH SVHC="No SVHC", Stock 1=157346, Supplier 1=Digi-Key, Termination=SMD/SMT, Turn-On Delay Time=8.3ns
U5: "IC GPIO EXPANDER I2C 16CH 28-QFN", Case/Package=QFN, Frequency=400kHz, Manufacturer 1=Semtech, Manufacturer Part Number 1=SX1503I091TRT, Max Operating Temperature=85°C, Min Operating Temperature=-40°C, Operating Supply Voltage=5.5V, Output Current=24mA, Supplier Part Number 1=SX1503I091DKR-ND, ComponentLink1Description=https://datasheet.ciiva.com/1780/sx150x-1780208.pdf, ComponentLink1URL=https://datasheet.ciiva.com/1780/sx150x-1780208.pdf, ComponentLink2Description=https://datasheet.ciiva.com/1780/sx150x-1780209.pdf, ComponentLink2URL=https://datasheet.ciiva.com/1780/sx150x-1780209.pdf, ComponentLink3Description=https://datasheet.ciiva.com/1780/sx150x-1780210.pdf, ComponentLink3URL=https://datasheet.ciiva.com/1780/sx150x-1780210.pdf, ComponentLink4Description=https://datasheet.ciiva.com/16620/sx150x-16620398.pdf, ComponentLink4URL=https://datasheet.ciiva.com/16620/sx150x-16620398.pdf, Description 1="IC GPIO EXPANDER I2C 16CH 28-QFN", Interface=I2C, Lead Free="Lead Free", Mount="Surface Mount", Number of I/Os=16, Number of Pins=20, Packaging="Tape and Reel", Pricing 1="1=1.76, 10=1.586, 25=1.4164, 100=1.2746, 250=1.133, 500=0.99138, 1000=0.82143 (USD)", Short Desc="GPIO Expander", Stock 1=17565, Supplier 1=Digi-Key
U6: "WiLink Wi-Fi 2.4/5GHz MIMO BT/BLE", Case/Package=SMD/SMT, Current - Receiving=85mA, Current - Transmitting=510mA, Frequency=5GHz, Manufacturer 1="Texas Instruments", Manufacturer Part Number 1=WL1837MODGIMOCT, Max Operating Temperature=85°C, Min Operating Temperature=-40°C, Supplier Part Number 1=296-43667-6-ND, ComponentLink1Description=http://www.ti.com/lit/ds/symlink/wl1837mod.pdf, ComponentLink1URL=http://www.ti.com/lit/ds/symlink/wl1837mod.pdf, Data Rate=54Mbps, Description 1="WiLink Wi-Fi 2.4/5GHz MIMO BT/BLE", Interface=SDIO,UART, Lead Free="Contains Lead", Mount="Surface Mount", Packaging="Tape and Reel", Pricing 1="1=36.1, 10=33.321, 25=30.544, 100=28.23 (USD)", Sensitivity=-95dBm, Stock 1=813, Supplier 1=Digi-Key
U7: "32.768kHz CMOS XO (Standard) Oscillator Surface Mount 1.8V 1.5mA Enable/Disable", Case/Package=SMD/SMT, Frequency=32.768kHz, Frequency Stability=25ppm, Manufacturer 1=Abracon, Manufacturer Part Number 1=ASDK2-32.768KHZ-LR-T3, Max Operating Temperature=85°C, Max Supply Current=1.5mA, Min Operating Temperature=-40°C, Supplier Part Number 1=535-13597-6-ND, ComponentLink1Description=http://www.abracon.com/Oscillators/ASDK.pdf, ComponentLink1URL=http://www.abracon.com/Oscillators/ASDK.pdf, Description 1="32.768kHz CMOS XO (Standard) Oscillator Surface Mount 1.8V 1.5mA Enable/Disable", Height=0.037inch, Length=0.098inch, Mount="Surface Mount", Packaging="Cut Tape", Pricing 1="1=1.39, 10=1.324, 50=1.2936, 100=1.1088, 500=1.078, 1000=0.9086 (USD)", Stock 1=8834, Supplier 1=Digi-Key, Width=0.079inch
U11: "3V, 8Mbit, Serial Flash Memory with Dual and Qual SPI, SOIC-8", Manufacturer="Winbond Electronics", Manufacturer Part Number="W25Q80DVSNIG TR", Operating Temperature="-40°C ~ 85°C (TA)", Package / Case="8-SOIC (0.154\", 3.90mm Width)", Supplier Device Package=8-SOIC, Supplier Part Number 1="W25Q80DVSNIG CT-ND", Voltage - Supply="2.7 V ~ 3.6 V", Access Time=-, Category="Integrated Circuits (ICs)", ComponentLink1Description=https://www.winbond.com/resource-files/w25q80dv_revg_07212015.pdf, ComponentLink1URL=https://www.winbond.com/resource-files/w25q80dv_revg_07212015.pdf, Memory Format=FLASH, Memory Interface=SPI, Memory Size="8Mb (1M x 8)", Memory Type=Non-Volatile, Mounting Type="Surface Mount", Packaging="Cut Tape (CT)", Part Status=Active, Pricing 1="1=0.53 (USD)", RoHS="RoHS Compliant", Stock 1=48844, Supplier 1=Digi-Key, Technology="FLASH - NOR", Write Cycle Time - Word, Page=3ms
U12: library part U_LD1117S18TR, "IC REG LDO 1.8V 950MA SOT-223", Current - Limit (Min)=-, Current - Output=950mA, Manufacturer=STMicroelectronics, Manufacturer Part Number=LD1117S18TR, Operating Temperature="0°C ~ 125°C", Package / Case="TO-261-4, TO-261AA", Supplier Device Package=SOT-223, Supplier Part Number 1=497-7308-1-ND, Voltage - Dropout (Typical)="1.1V @ 800mA", Voltage - Input="Up to 15V", Voltage - Output=1.8V, Category="Integrated Circuits (ICs)", ComponentLink1Description=http://www.st.com/internet/com/TECHNICAL_RESOURCES/TECHNICAL_LITERATURE/DATASHEET/CD00000544.pdf, ComponentLink1URL=http://www.st.com/internet/com/TECHNICAL_RESOURCES/TECHNICAL_LITERATURE/DATASHEET/CD00000544.pdf, Mounting Type="Surface Mount", Number of Regulators=1, Packaging="Cut Tape (CT)", Pricing="1=0.54, 10=0.436, 100=0.3267, 250=0.28216, 500=0.24256, 1000=0.1881 (USD)", Regulator Topology="Positive Fixed", RoHS="RoHS Compliant", Stock 1=29995, Supplier 1=Digi-Key
U13: "IC DRVR WT/OLED BCKLT SOT23-5", Constant Current=Yes, Constant Voltage=-, Frequency="1.2MHz ~ 2MHz", Manufacturer="Texas Instruments", Manufacturer Part Number=LM3410XMFE/NOPB, Operating Temperature="-40°C ~ 125°C", Package / Case="SC-74A, SOT-753", Supplier Device Package=SOT-23-5, Supplier Part Number 1=LM3410XMFE/NOPBCT-ND, Voltage - Output="3 V ~ 24 V", Voltage - Supply="2.7 V ~ 5.5 V", Category="Integrated Circuits (ICs)", ComponentLink1Description=http://www.ti.com/lit/ds/symlink/lm3410.pdf, ComponentLink1URL=http://www.ti.com/lit/ds/symlink/lm3410.pdf, Internal Driver=Yes, Mounting Type="Surface Mount", Number of Outputs=1, Packaging="Cut Tape (CT)", Pricing="1=2.98, 10=2.67, 25=2.4012, 100=2.1839 (USD)", RoHS="RoHS Compliant", Stock 1=405, Supplier 1=Digi-Key, Topology="PWM, SEPIC, Step-Up (Boost)", Type - Primary="Automotive, Backlight, Flash/Torch", Type - Secondary="High Brightness LED (HBLED), OLED, White LED"
U14: library part U_TPS65981ABQWRWERQ1, "USB, Type-C Controller PMIC 56-QFN (8x8)", Manufacturer="Texas Instruments (TI)", Manufacturer Part Number=TPS65981ABIRTQR, Supplier Part Number 1=TPS65981ABIRTQR-ND, Lead Free="Lead Free", Number of Pins=56, Pricing 1="2000=3.0577 (USD)", Stock 1=0, Supplier 1=Digikey
U15: "IC STEREO CODEC 32BIT 32QFN", Manufacturer 1="AKM Semiconductor", Manufacturer Part Number 1=AK4954AEN, Max Operating Temperature=85°C, Min Operating Temperature=-30°C, Supplier Part Number 1=974-1065-1-ND, ComponentLink1Description=http://www.akm.com/akm/en/file/datasheet/AK4954AEN.pdf, ComponentLink1URL=http://www.akm.com/akm/en/file/datasheet/AK4954AEN.pdf, Description 1="IC STEREO CODEC 32BIT 32QFN", Interface=Serial, Mount="Surface Mount", Packaging="Tape and Reel", Resolution=32b, Stock 1=0, Supplier 1=Digi-Key
U16: "MIC MEMS ANALOG OMNI -38DB", Manufacturer 1=STMicroelectronics, Manufacturer Part Number 1=MP23AB01DHTR, Supplier Part Number 1=497-17051-6-ND, ComponentLink1Description=http://www.farnell.com/datasheets/2310300.pdf, ComponentLink1URL=http://www.farnell.com/datasheets/2310300.pdf, Pricing 1="1=1.59, 10=1.257, 100=1.0017, 500=0.84854, 1000=0.7975 (USD)", Stock 1=5150, Supplier 1=Digi-Key
U17: library part U_TPS62080, "IC BUCK SYNC ADJ 1.2A 8WSON", Current - Output=1.2A, Frequency - Switching=2MHz, Manufacturer="Texas Instruments", Manufacturer Part Number=TPS62080DSGT, Operating Temperature="-40°C ~ 85°C", Package / Case="8-WFDFN Exposed Pad", Supplier Device Package="8-WSON Exposed Pad (2x2)", Supplier Part Number 1=296-29645-1-ND, Voltage - Input="2.3 V ~ 6 V", Voltage - Output="0.5 V ~ 4 V", Category="Integrated Circuits (ICs)", ComponentLink1Description=http://www.ti.com/lit/ds/symlink/tps62080.pdf, ComponentLink1URL=http://www.ti.com/lit/ds/symlink/tps62080.pdf, Mounting Type="Surface Mount", Number of Outputs=1, Output Type=Adjustable, Packaging="Cut Tape (CT)", Pricing="1=4.03, 10=3.612, 25=3.248, 100=2.954 (USD)", PWM Type=Hybrid, RoHS="RoHS Compliant", Stock 1=288, Supplier 1=Digi-Key, Synchronous Rectifier=Yes, Type="Step-Down (Buck)"
U18 U19: library part U_TXS0101DBVR, "IC V-LEVEL TRANSL BI-DIR SOT23-6", Manufacturer="Texas Instruments", Manufacturer Part Number=TXS0101DBVR, Operating Temperature="-40°C ~ 85°C", Package / Case=SOT-23-6, Supplier Part Number 1=296-22863-1-ND, Voltage - Supply="1.65 V ~ 3.6 V, 2.3 V ~ 5.5 V", Category="Integrated Circuits (ICs)", ComponentLink1Description=http://www.ti.com/lit/ds/symlink/txs0101.pdf, ComponentLink1URL=http://www.ti.com/lit/ds/symlink/txs0101.pdf, Data Rate=24Mbps, Differential - Input:Output=No/No, Input Type=Voltage, Logic Function="Translator, Bidirectional, Open Drain", Number of Bits=1, Number of Channels=1, Number of Outputs/Channel=1, Output Type=Voltage, Packaging="Cut Tape (CT)", Pricing 1="1=0.82, 10=0.722, 25=0.638, 100=0.556, 250=0.484, 500=0.412, 1000=0.33 (USD)", Propagation Delay (Max)=4.6ns, RoHS="RoHS Compliant", Stock 1=19555, Supplier 1=Digi-Key, Supplier Device Package=SOT-23-6
U27: "IC REG BUCK SYNC ADJ 3A 8SOPWR", Case/Package=SOIC, Manufacturer="Texas Instruments (TI)", Manufacturer Part Number=TPS54339EDDAR, Max Input Voltage=23V, Max Operating Temperature=85°C, Max Output Current=10A, Max Output Voltage=7V, Min Input Voltage=4.5V, Min Operating Temperature=-40°C, Min Output Voltage=760mV, Output Current=3A, Package Quantity=2500, Quiescent Current=600uA, Supplier Part Number 1=296-40793-1-ND, Switching Frequency=600KHz, ComponentLink1Description=http://www.ti.com/litv/slvsbm0a, ComponentLink1URL=http://www.ti.com/litv/slvsbm0a, ComponentLink2Description=http://www.ti.com/general/docs/lit/getliterature.tsp?genericPartNumber=TPS54339E&&fileType=pdf, ComponentLink2URL=http://www.ti.com/general/docs/lit/getliterature.tsp?genericPartNumber=TPS54339E&&fileType=pdf, ComponentLink3Description=http://www.ti.com/lit/ds/symlink/tps54339e.pdf, ComponentLink3URL=http://www.ti.com/lit/ds/symlink/tps54339e.pdf, Contact Plating=Gold, Lead Free="Lead Free", Min Supply Voltage=4.5V, Mount="Surface Mount", Number of Outputs=1, Number of Pins=8, Output Voltage=7V, Packaging="Tape and Reel", Pricing 1="1=1.91, 10=1.72, 100=1.3822, 500=1.1356, 1000=0.9409 (USD)", Stock 1=1978, Supplier 1=Digikey, Synchronous Rectifier=Yes
U30: "USB Type C Interface Protector: Short-to-VBUS Over Voltage and IEC 61000-4-2 ESD Protection, RUK0020B", Capacitance=1.5pF, Manufacturer="Texas Instruments (TI)", Manufacturer Part Number=TPD8S300RUKR, Supplier Part Number 1=296-45177-6-ND, Lead Free="Lead Free", Pricing 1="1=2.65, 10=2.377, 100=1.9109, 500=1.57, 1000=1.3008 (USD)", Stock 1=2830, Supplier 1=Digi-Key
Y1: library part Y_SMD_32KHZ, "CRYSTAL 32.7680KHZ 12.5PF SMD", Frequency=32.768kHz, Frequency Stability=-, Frequency Tolerance=±20ppm, Load Capacitance=12.5pF, Manufacturer="Epson Toyocom Corporation", Manufacturer Part Number="FC-135 32.7680KA-A3", Operating Mode=Fundamental, Operating Temperature="-40°C ~ 85°C", Package / Case=2-SMD, Supplier Part Number 1=SE2413CT-ND, Category="Crystals and Oscillators", ComponentLink1Description=http://www.eea.epson.com/portal/pls/portal/docs/1/1087994.PDF, ComponentLink1URL=http://www.eea.epson.com/portal/pls/portal/docs/1/1087994.PDF, Height="0.035\" (0.90mm)", Mounting Type="Surface Mount", Packaging="Cut Tape (CT)", Pricing="1=2.98, 10=2.55, 50=2.125, 100=1.9125 (USD)", RoHS="RoHS Compliant", Size / Dimension="0.126\" L x 0.059\" W (3.20mm x 1.50mm)", Stock 1=70403, Supplier 1=Digi-Key, Type="kHz Crystal (Tuning Fork)"

## Via types
v1: diameter 18, hole 8, Component Side to Solder Side, tented both sides, 907 vias
v2: diameter 19.68, hole 8, Component Side to Solder Side, 32 vias
v3: diameter 24, hole 10, Component Side to Solder Side, tented both sides, 9 vias
v4: diameter 18, hole 8, Component Side to Solder Side, 6 vias
v5: diameter 19.68, hole 7.87, Component Side to Solder Side, 4 vias
v6: diameter 19.68, hole 8, Component Side to Solder Side, tented both sides, 4 vias

## Nets (pads, with @x,y where several pads share a name; then routed paths per layer and width w, separated by ;. In a path a pad name is that pad's centre, name@x,y a point inside that pad or via, vN(x,y) a via of type N, cw(c..) or ccw(c..) an arc to the next point about the centre after c; other vN are vias at no path point)
ACFET: R30.1 U1.29 | length 149.9
  Component Side w8: U1.29@-1337.52,1294.49 -1337.52,1387.01 -1317.83,1406.69 R30.1@-1317.83,1436.22
ADC0: J16.3 U2.A8 | length 9106.1
  Component Side w6: J16.3@-3139.75,2795.28 v1(-3005.48,2795.28) ; v1(2300.33,1125) U2.A8@2325.33,1150 ; v1(2450,1025) 2598.95,1025 2725,1151.05 2725,1250 2860,1385 2910,1385 3049.67,1524.67 3049.67,1650.34 2899.67,1800.34 v1(2899.67,1850)
  Solder Side w6: v1(-3005.48,2795.28) -2230,2795.28 -2200.28,2825 -1855,2825 -1830,2850 -1350,2850 -1325,2875 -1325,3051.97 -1263.78,3113.19 -1211.81,3113.19 -865,3460 727.49,3460 952.49,3235 2439.9,3235 2610,3064.9 2610,2315 2899.67,2025.33 v1(2899.67,1850) ; v1(2300.33,1125) 2400.33,1025 v1(2450,1025) v1@2450.33,1025
ADC1: J16.1 U2.B8 | length 9299.1
  Component Side w6: J16.1@-3139.75,2952.75 v1(-3005.48,2952.75) ; v1(2250.33,1125) U2.B8@2275.33,1150 ; v1(2499.9,1000) 2600,1000 2743.11,1143.11 2743.11,1242.66 2870.45,1370 2920,1370 3075.16,1525.16 3075.16,1675.63 2925,1825.79 v1(2925,1875)
  Solder Side w6: v1(-3005.48,2952.75) -3005.48,2880.48 -2975,2850 -1866.56,2850 -1821.52,2895.04 -1745.04,2895.04 -1715.63,2865.63 -1574.67,2865.63 -1540.3,2900 -1366.44,2900 -1340,2926.44 -1340,3056.97 -1264.81,3132.16 -1213.03,3132.16 -870.2,3475 735,3475 960,3250 2449.9,3250 2625,3074.9 2625,2349.67 2925,2049.67 v1(2925,1875) ; v1(2250.33,1125) 2375.33,1000 v1(2499.9,1000)
ADC2: J17.1 U2.B6 | length 2172.2
  Component Side w6: U2.B6@2275,1250 v1(2300,1225) ; v1(2500.26,2025.26) 2500.26,2089.47 2790,2379.21 2790,2859.98 2697.23,2952.75 J17.1@2529.55,2952.75
  Solder Side w6: v1(2300,1225) 2350,1275 2350,1775 2500.26,1925.26 v1(2500.26,2025.26)
ADC3: J17.3 U2.C6 | length 2039.4
  Component Side w6: U2.C6@2224.67,1250 v1(2249.67,1225) ; v1(2475,2050) 2475,2100 2775,2400 2775,2745.28 2725,2795.28 J17.3@2529.55,2795.28
  Solder Side w6: v1(2249.67,1225) 2335,1310.34 2335,1804.67 2475,1944.67 v1(2475,2050)
ADC4: U2.C7
ADC5: U2.C8
ADC6: U2.C9
AGND: C3.1 C4.1 C5.1 R64.2 U2.A9 | length 276
  Component Side w18: U2.A9@2325,1100 2326.18,1098.82 2327.35,1100 C4.1@2499.9,1100 C5.1@2600,1100
ALERT: U1.14 U5.14 | length 2397.7
  Component Side w6: U5.14@-2127.76,1972.24 -2127.76,1953.76 -2100,1926 -2100,1750 -2225,1625 -2225,850 -2099.92,724.92 -1975.08,724.92 -1925,775 -1575,775 -1549.33,800.67 -1549.33,900.67 -1500,950 -1424.21,950 -1298.15,1076.06 U1.14@-1298.15,1105.51
AUDIO_POWER_DOWN_N: U2.P13 U15.8 | length 4780.4
  Component Side w6: U15.8@-1942.5,305.28 -1894.72,305.28 -1800,400 -1625.49,400 -1500,274.51 v1(-1500,100.63) ; v1(-800,425) v1(-400.08,425) ; v1(1500,775.12) 1590,775.12 1599.8,784.92 1599.8,815 1609.8,825 1635,825 1650,840 1650,860 1675,885 U2.P13@1675,900
  Solder Side w6: v1(-1500,100.63) -1145.53,455.1 -924.01,455.1 -893.91,425 v1(-800,425) ; v1(-400.08,425) -349.54,425 -149.54,625 250,625 350,725 350,840 250,940 250,975 275,1000 325,1000 360,965 360,915 395,880 670.08,880 774.25,775.83 v1@1500.43,775.83
AUX_C_N: C99.1 R54.1 U14.55 | length 383.3
  Component Side w6: C99.1@70,685.2 R54.1@70,735 v1(109.37,735) ; v1(300,745) 308.94,753.94 326.85,753.94 348.09,775.18 359.06,775.18 362.91,771.34 U14.55@377.72,771.34
  Solder Side w6: v1(109.37,735) 128.47,754.1 290.9,754.1 v1(300,745)